# Altium PCB ZYNQ-7000_SOM_Bd.PcbDoc (part 5 of 6) (continued)
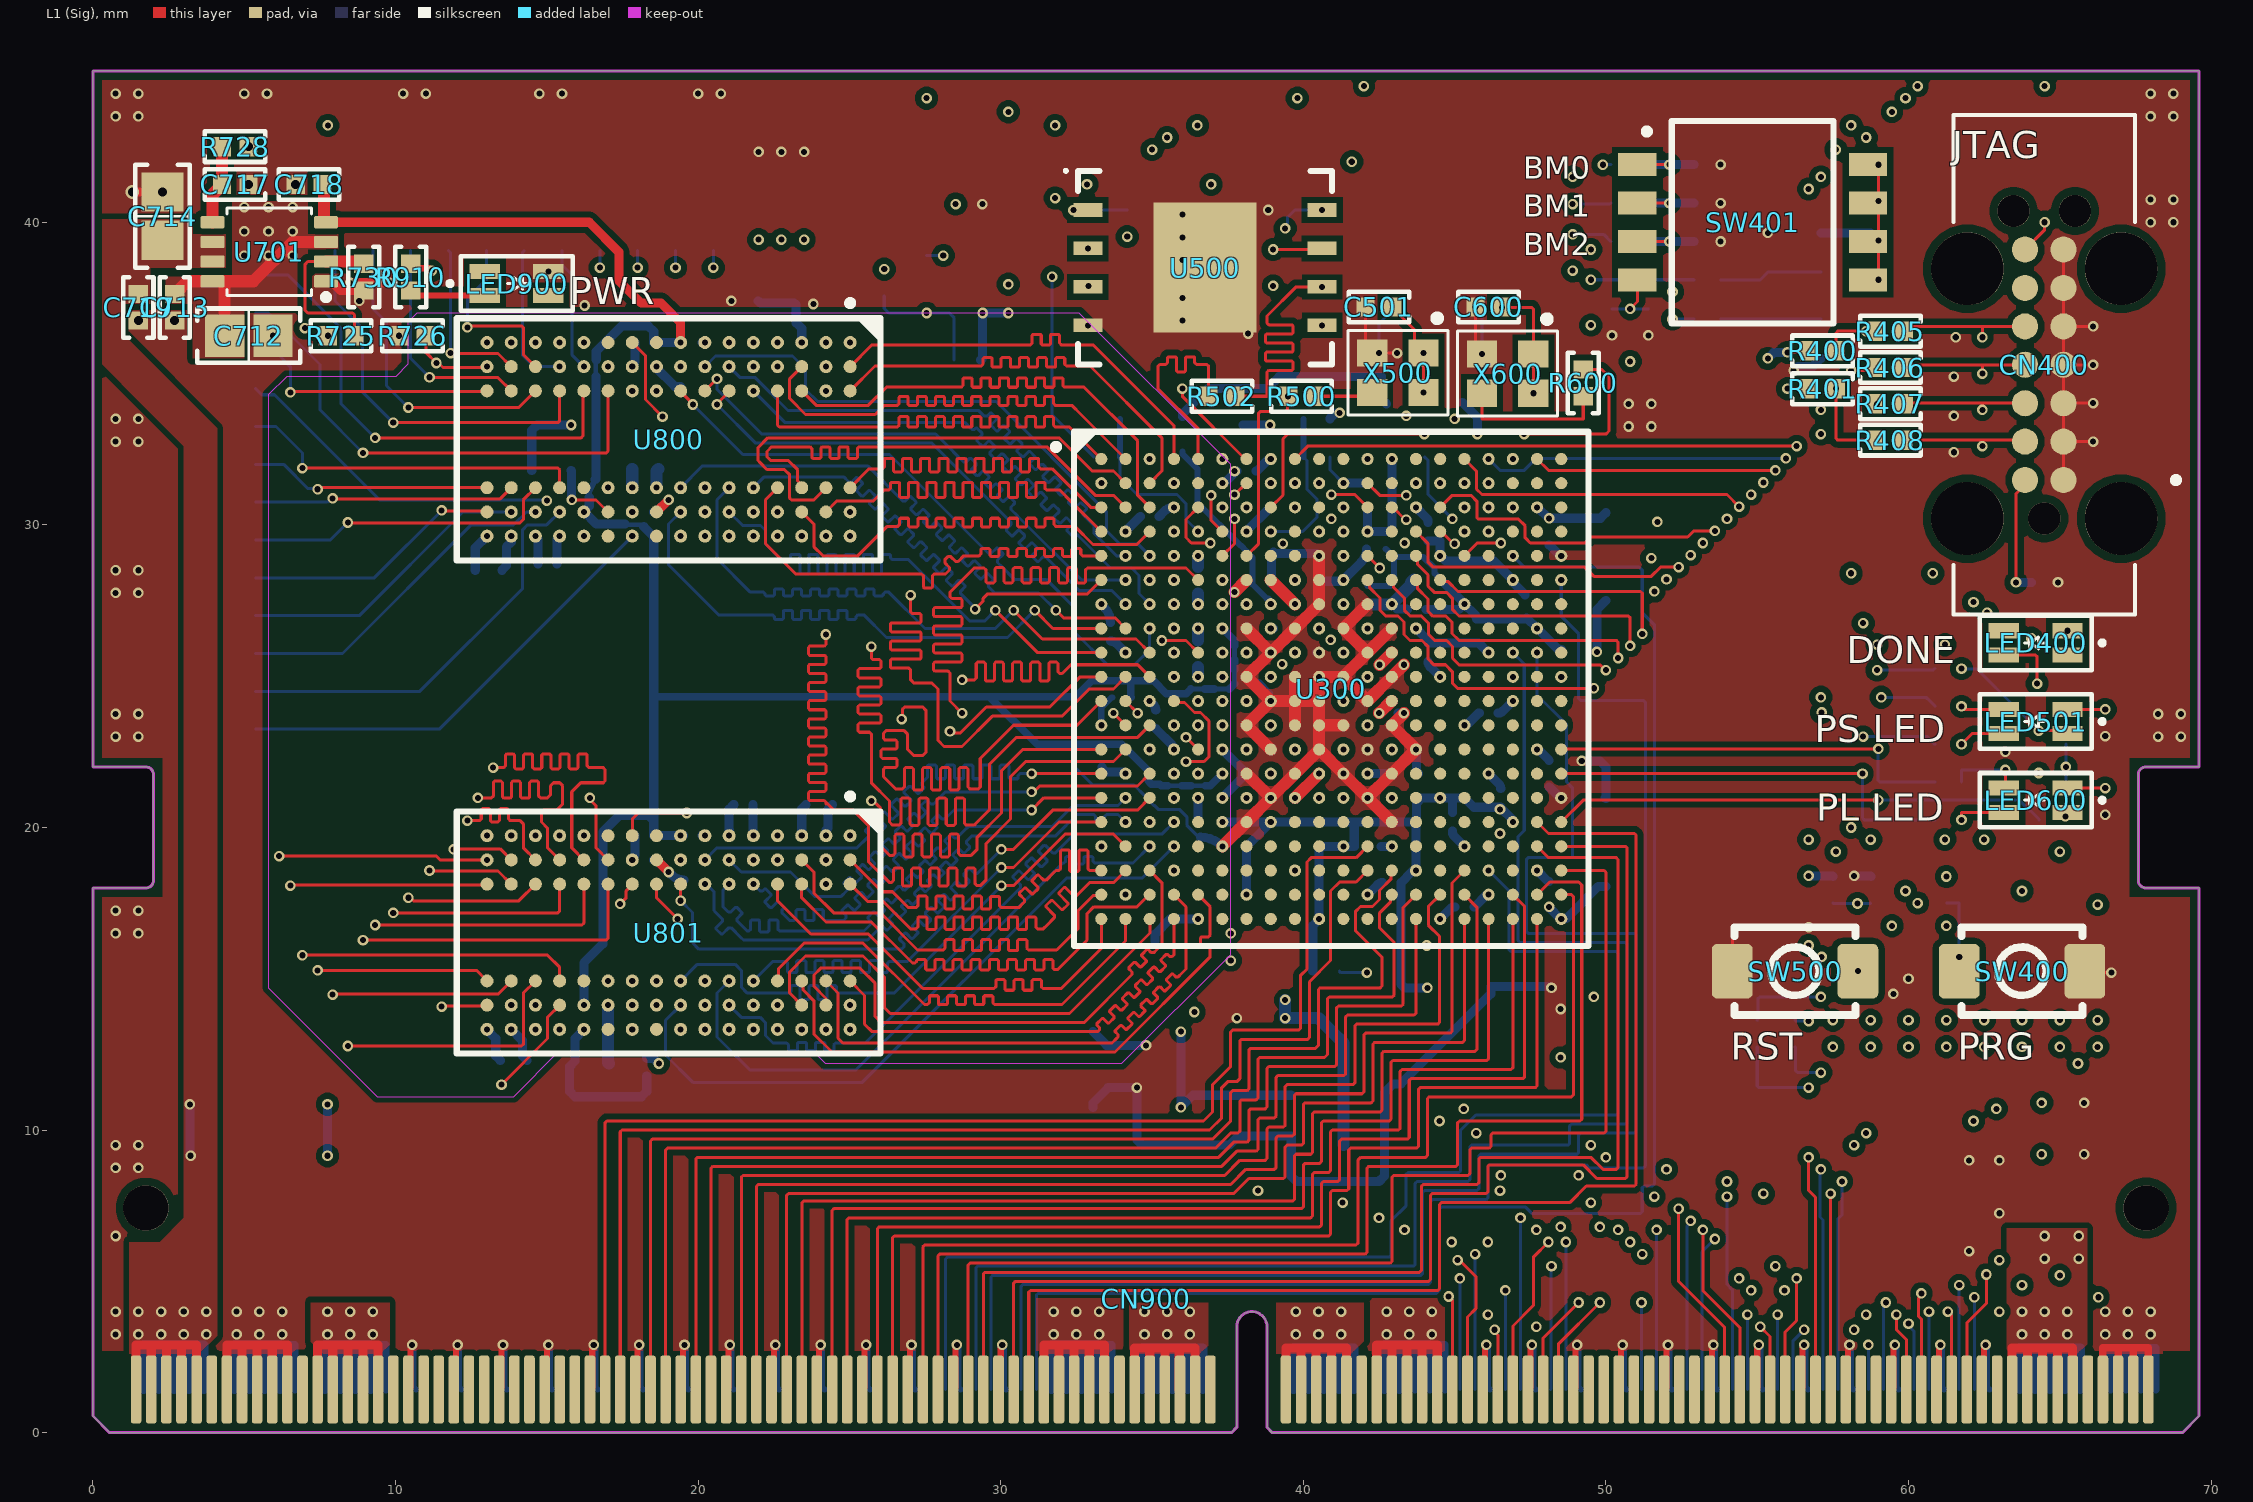
[diagram p0: L1 (Sig) view]
## Nets (pads, with @x,y where several pads share a name; then routed paths per layer and width w, separated by ;. In a path a pad name is that pad's centre, name@x,y a point inside that pad or via, vN(x,y) a via of type N, cw(c..) or ccw(c..) an arc to the next point about the centre after c; other vN are vias at no path point) (continued)
  L8 (Sig) w0.4: v1(36.523,24.977) R729.1@36.523,25.297 ; C309.1@40.523,22.657 v1(40.523,24.977)
  other v1: 0.75,3.25 4.75,3.25 5.5,3.25 6.25,3.25 31.75,3.25 32.5,3.25 33.25,3.25 42.75,3.25 43.5,3.25 44.25,3.25 66.5,3.25 67.25,3.25 68,3.25 0.75,4 4.75,4 5.5,4 6.25,4 31.75,4 32.5,4 33.25,4 42.75,4 43.5,4 44.25,4 66.5,4 67.25,4 68,4 62,6 0.75,6.5 63,7.25 0.75,8.75 1.5,8.75 62,9 63,9 65.8,9.2 0.75,9.5 1.5,9.5 65.8,10.9 14.623,13.327 20.223,13.327 21.023,13.327 37.8,13.7 48.5,14 18.623,14.127 20.223,14.127 21.823,14.127 22.623,14.127 59.5,14.5 60,15 0.75,16.5 1.5,16.5 0.75,17.25 1.5,17.25 34.123,17.777 24.223,18.127 39.723,18.577 21.823,18.927 13.023,19.727 14.623,19.727 16.223,19.727 22.623,19.727 34.923,20.177 66.5,20.42 63.2,22.5 42.123,22.577 0.75,23 1.5,23 66.5,23.02 68.25,23 69,23 0.75,23.75 1.5,23.75 68.25,23.75 69,23.75 0.75,27.75 1.5,27.75 64.94,28.1 0.75,28.5 1.5,28.5 39.323,29.377 16.223,29.627 20.223,29.627 21.023,29.627 24.223,29.627 25.023,29.627 46.123,29.777 20.223,30.427 21.823,30.427 22.623,30.427 39.723,30.577 33.323,31.377 46.923,32.177 61.5,32.4 0.75,32.75 1.5,32.75 50.75,33.25 51.5,33.25 0.75,33.5 1.5,33.5 61.5,33.6 50.75,34 51.5,34 24.223,34.427 61.5,34.9 21.823,35.227 13.023,36.027 14.623,36.027 16.223,36.027 21.823,36.027 22.623,36.027 24.223,36.027 61.56,36.2 5.95,36.25 10.12,36.25 50.2,36.26 51.4,36.26 38.175,36.325 32.88,36.595 36,36.75 16.25,37.25 23.81,37.3 8.8,37.4 21.1,37.4 36,37.5 15.05,38.375 36,38.75 53.79,39.365 36,39.5 55.35,39.65 68,40 68.75,40 36,40.25 38.84,40.405 29.39,40.6 53.79,40.635 68,40.75 68.75,40.75 53.79,41.905 22,42.325 22.75,42.325 23.5,42.325 0.75,43.5 1.5,43.5 68,43.5 68.75,43.5 0.75,44.25 1.5,44.25 5,44.25 5.75,44.25 10.25,44.25 11,44.25 14.75,44.25 15.5,44.25 20,44.25 20.75,44.25 68,44.25 68.75,44.25
  other v2: 1.5,36.75 2.7,36.75 5.14,41.25 6.7,41.25
DONE: CN900.181 Q400.1 R402.1 U300.R11 | length 65.9
  L1 (Sig) w0.1: CN900.181@48.425,1.425 48.425,2.925 v1(49.8,4.3)
  L4 (Sig) w0.1: v1(48.5,6.8) v1(48.5,12.4) ; v1(49.8,4.3) v1(49.8,6.8) ; v1(65.2,22) 65.6,21.6 v1(65.6,12.2)
  L6 (Sig) w0.1: v1(41.323,20.977) 41.738,21.392 65.192,21.392 65.192,21.992 v1(65.2,22) ; v1(48.5,6.8) v1(49.8,6.8) ; v1(48.5,12.4) 57.3,12.4 57.5,12.2 v1(65.6,12.2)
  L8 (Sig) w0.1: R402.1@65.19,21.5 65.2,21.51 v1(65.2,22) Q400.1@65.2,22.75
DP0.675VS: C700.2 C701.2 C702.2 C703.2 C704.2 C705.2 C706.2 C707.2 C708.2 C709.2 C710.2 C711.2 C712.2 C713.2 R701.2 R702.2 R703.2 R704.2 R705.2 R706.2 R707.2 R708.2 R709.2 R710.2 R711.2 R712.2 R713.2 R714.2 R715.2 R716.2 R717.2 R718.2 R719.2 R720.2 R721.2 R722.2 R723.2 R724.2 U701.3 U701.8 | length 7.5
  L1 (Sig) w0.4: C713.2@2.7,37.63 2.75,37.68 2.77,37.68 2.886,37.796 2.886,37.816 3.12,38.05 4.35,38.05 ; C712.2@4.35,36.25 4.35,38.05 ; U701.3@7.7,39.35 6.6,39.35 5.3,38.05 4.35,38.05
  other v1: 5,38.9 5.8,38.9 6.6,38.9 5,39.7 5.8,39.7 6.6,39.7 5,40.5 5.8,40.5 6.6,40.5
DP0.675VS_REF: C715.2 C716.2 C718.2 C800.1 C801.2 C824.1 C825.2 U300.H6 U300.P6 U701.4 U800.H1 U800.M8 U801.H1 U801.M8 | length 77.7
  L1 (Sig) w0.3: C718.2@7.58,41.25 C718.2@7.64,41.19 ; U701.4@7.64,40.05 7.69,40 U701.4@7.7,40 16.4,40 17.382,39.018 17.382,38.068 18.125,37.325 18.775,37.325 19.423,36.677 v1(19.423,36.027)
  L1 (Sig) w0.4: U701.4@7.64,40.05 C718.2@7.64,41.19
  L8 (Sig) w0.15: 16.621,34.907 16.621,35.468 ; 17.581,30.023 17.6,30.004 18.14,30.004 18.201,29.944 ; 35.513,21.375 35.975,21.375 ; 36.275,24.575 36.737,24.575 ; 36.3,21.375 36.762,21.375 ; 37.062,24.575 37.55,24.575 ; 37.725,24.75 37.725,25.212 ; 37.725,25.538 37.725,26
  L8 (Sig) w0.2: 16.4,30.9 16.4,31.1 16.6,31.5
  L8 (Sig) w0.25: 18.533,24.325 29.625,24.325 ; C715.2@34.31,24.3 34.3,24.35 34.3,24.85 ; 35.513,21.375 35.3,21.375 35.25,21.425 34.973,21.425 34.923,21.475 C716.2@34.923,21.5 34.873,21.55 34.873,21.877 34,22.75 31.2,22.75 29.625,24.325 ; 35.975,21.375 36.3,21.375 ; 36.275,24.575 36.125,24.425 35.475,24.425 35.05,24.85 34.3,24.85 ; 36.737,24.575 37.062,24.575 ; 36.762,21.375 36.921,21.375 v1(37.323,21.777) ; v1(37.323,26.577) 37.725,26.175 37.725,26 ; 37.55,24.575 37.725,24.75 ; 37.725,25.212 37.725,25.538 ; 29.625,24.325 32.475,24.325 33,24.85 34.3,24.85
  L8 (Sig) w0.3: v1(16.223,14.127) 16.223,15.523 16.85,16.15 16.85,19.85 17.4,20.4 18.357,20.4 18.533,20.224 ; 16.4,30.9 16.4,30.618 16.223,30.441 v1(16.223,30.427) 16.236,30.427 16.641,30.023 17.581,30.023 ; 16.6,31.5 16.621,31.521 16.621,34.907 ; 16.633,35.456 16.633,35.733 17.467,36.567 18.357,36.567 18.533,36.391 C800.1@18.533,36.027 v1(19.423,36.027) ; 18.201,29.944 18.533,29.612 18.533,24.325 18.533,20.224 ; C825.2@19.513,19.727 v1(19.423,19.727) C824.1@18.533,19.727 18.533,20.224
DP1.0VS: C304.2 C305.2 C306.2 C307.2 C311.2 C312.2 C313.2 C314.2 C315.2 C328.2 C329.2 C330.2 C913.2 C914.2 CN900.133 CN900.134 CN900.135 CN900.136 CN900.137 CN900.138 CN900.139 CN900.140 CN900.141 CN900.142 U300.G7 U300.G11 U300.G13 U300.H10 U300.H12 U300.J7 U300.J13 U300.K12 U300.L7 U300.L13 U300.M12 U300.N7 U300.N13 U300.P8 U300.P12 U300.R7 U300.R13 | length 28.3
  L1 (Sig) w0.3: CN900.133@34.425,1.425 34.425,2.8 34.925,2.8 ; CN900.135@34.925,1.425 34.925,2.8 ; CN900.137@35.425,1.425 35.425,2.8 ; CN900.139@35.925,1.425 35.9,1.425 35.9,2.8 ; CN900.141@36.425,1.425 36.425,2.8 35.9,2.8 ; 34.925,2.8 35.425,2.8 ; 35.425,2.8 35.9,2.8
  L1 (Sig) w0.4: v1(42.503,23.777) 42.513,23.777 42.913,24.177 U300.L13@42.923,24.177 ; v1(42.523,25.377) U300.J13@42.923,25.777
  L8 (Sig) w0.3: CN900.134@34.675,1.425 34.675,2.8 35.175,2.8 ; CN900.136@35.175,1.425 35.175,2.8 ; CN900.138@35.675,1.425 35.675,2.8 ; v1(35.95,13.25) v1(35.95,10.75) 36.35,11.15 C914.2@37.9,11.15 C913.2@39.6,11.15 ; CN900.140@36.175,1.425 36.175,2.8 ; CN900.142@36.675,1.425 36.675,2.8 36.175,2.8 ; v1(42.123,21.777) C312.2@42.923,21.777 ; 43.089,27.225 43.415,27.225 C328.2@43.44,27.2 ; 35.175,2.8 35.675,2.8 ; 35.675,2.8 36.175,2.8
  L8 (Sig) w0.4: C306.2@42.123,27.357 42.133,27.368 42.913,27.368 v1(42.923,27.377) 43.56,28.014 43.56,28.1 C329.2@43.66,28.2
  other v1: 34.75,3.25 35.5,3.25 36.25,3.25 34.75,4 35.5,4 36.25,4 36.4,13.9 37.6,15.6 37.6,16.5 38.123,20.977 42.923,20.977 38.923,21.777 38.123,22.577 42.923,22.577 42.123,23.377 38.123,24.177 42.123,24.977 38.123,25.777 40.523,26.577 42.123,26.577 38.123,27.377 41.323,27.377
DP1.8VS: C302.2 C303.2 C308.2 C309.2 C310.2 C316.2 C317.2 C318.2 C905.2 C910.2 CN900.145 CN900.146 CN900.147 CN900.148 CN900.149 CN900.150 CN900.151 CN900.152 CN900.153 CN900.154 FB300.2 U300.F8 U300.F11 U300.G9 U300.H8 U300.J9 U300.J11 U300.K8 U300.L11 U300.M8 U300.N9 U300.N11 U300.P10 U300.R9 | length 42.4
  L1 (Sig) w0.3: CN900.145@39.425,1.425 39.425,2.8 39.925,2.8 ; CN900.147@39.925,1.425 39.925,2.8 ; CN900.149@40.425,1.425 40.425,2.8 ; CN900.151@40.925,1.425 40.925,2.8 ; CN900.153@41.425,1.425 41.425,2.8 40.925,2.8 ; 39.925,2.8 40.425,2.8 ; 40.425,2.8 40.925,2.8
  L1 (Sig) w0.4: U300.F8@38.923,28.177 v1(39.723,27.377) ; v1(39.723,20.977) v1(40.523,21.777)
  L3 (PWR) w0.4: v1(40.523,21.777) v1(41.323,22.577)
  L4 (Sig) w0.2: v1(43.35,29.4) 42.9,29.85 42.9,31.5 43.5,32.1 43.5,32.78 43.4,32.88 v1(43.4,33.6)
  L8 (Sig) w0.3: FB300.2@36,33.575 36,33.65 36.85,34.5 38.8,34.5 39.2,34.9 42.574,34.9 42.574,34.176 C318.2@42.75,34 ; v1(38.923,26.577) C316.2@39.013,26.577 ; CN900.146@39.675,1.425 39.675,2.8 40.175,2.8 ; CN900.148@40.175,1.425 40.175,2.8 ; C317.2@40.523,28.137 41.226,28.137 ccw(c41.226,28.274) v1(41.323,28.177) 41.909,28.764 ccw(c41.473,29.2) C302.2@42.09,29.2 ; CN900.150@40.675,1.425 40.675,2.8 ; CN900.152@41.175,1.425 41.175,2.8 ; CN900.154@41.675,1.425 41.675,2.8 41.175,2.8 ; 40.175,2.8 40.675,2.8 ; 40.675,2.8 41.175,2.8
  L8 (Sig) w0.4: v1(39.4,14.3) v1(39.4,13.7) 40.5,13.7 C310.2@40.95,13.25 41.325,12.875 C905.2@41.325,11.175 C910.2@41.325,9.5
  other v1: 39.75,3.25 40.5,3.25 41.25,3.25 39.75,4 40.5,4 41.25,4 39.723,22.577 38.923,23.377 41.323,24.177 38.923,24.977 39.723,25.777 41.323,25.777
DP1.8VS_PLL: C300.2 C301.2 FB300.1 U300.G8 | length 6.3
  L8 (Sig) w0.2: FB300.1@36,32.425 36,32.35 36.5,31.85 36.5,30.74 37.92,29.32 37.935,29.32 38.135,29.12 C301.2@38.135,29.1 38.323,28.912 38.323,28.029 38.785,27.567 38.848,27.567 38.923,27.492 C300.2@38.923,27.467 v1(38.923,27.377)
DP1.35VS: C319.2 C320.2 C321.2 C322.2 C323.2 C324.2 C800.2 C802.2 C803.2 C804.2 C805.2 C806.2 C807.2 C808.2 C809.2 C810.2 C811.2 C812.2 C813.2 C814.2 C815.2 C816.2 C817.2 C818.2 C819.2 C820.2 C821.2 C822.2 C823.2 C824.2 C826.2 C827.2 C828.2 C829.2 C830.2 C831.2 C832.2 C833.2 C834.2 C835.2 C836.2 C837.2 C838.2 C839.2 C840.2 C841.2 C842.2 C843.2 C844.2 C845.2 C846.2 C847.2 C907.2 C911.2 CN900.25 CN900.26 CN900.27 CN900.28 CN900.29 CN900.30 CN900.31 CN900.32 CN900.33 CN900.34 R727.2 R728.1 U300.A3 U300.D2 U300.E5 U300.G1 U300.H4 U300.L3 U300.P2 U300.R5 U300.U1 U300.V4 U800.A1 U800.A8 U800.B2 U800.C1 U800.C9 U800.D2 U800.D9 U800.E9 U800.F1 U800.G7 U800.H2 U800.H9 U800.K2 U800.K8 U800.N1 U800.N9 U800.R1 U800.R9 U801.A1 U801.A8 U801.B2 U801.C1 U801.C9 U801.D2 U801.D9 U801.E9 U801.F1 U801.G7 U801.H2 U801.H9 U801.K2 U801.K8 U801.N1 U801.N9 U801.R1 U801.R9 | length 206.6
  L1 (Sig) w0.3: CN900.25@7.425,1.425 7.425,2.9 7.925,2.9 ; CN900.27@7.925,1.425 7.925,2.9 ; CN900.29@8.425,1.425 8.425,2.9 ; CN900.31@8.925,1.425 8.925,2.9 ; CN900.33@9.425,1.425 9.425,2.9 8.925,2.9 ; 7.925,2.9 8.425,2.9 ; 8.425,2.9 8.925,2.9
  L3 (PWR) w0.15: 33.323,27 33.348,26.975 35.163,26.975 ; v1(34.923,24.177) 35.553,24.177 36.127,24.752 36.127,25.214 ; 35.489,25.378 36.127,25.378 ; v1(35.723,26.577) 36.125,26.869 36.125,27.61
  L3 (PWR) w0.25: 35.163,26.975 35.488,26.975 v1(35.723,26.577) ; 35.164,25.378 35.489,25.378 ; 36.125,27.61 36.125,27.8 36.525,28.2 36.525,28.975 v1(36.523,28.977) ; 36.127,25.214 36.127,25.539
  L3 (PWR) w0.3: v1(7,36.5) 7.3,36.5 7.6,36.8 ; v1(9.25,4) 9.25,12.65 13.823,12.65 ; v1(13.823,13.327) 13.823,12.65 ; v1(13.823,19.727) 13.823,18.927 15.425,18.927 ; v1(13.823,29.627) 13.823,28.975 15.425,28.975 ; v1(13.823,36.027) 13.823,36.575 15.423,36.575 ; v1(15.423,13.327) 15.423,12.65 ; v1(15.423,19.727) 15.425,19.727 15.425,18.927 ; v1(15.423,29.627) 15.425,29.627 15.425,28.975 ; v1(15.423,36.027) 15.423,36.575 ; v1(17.823,14.127) 18.623,13.327 18.623,12.65 ; v1(17.823,30.427) 18.625,29.625 19.421,29.625 v1(19.423,29.627) 19.423,28.975 ; v1(17.823,35.227) 17.823,36.575 ; v1(19.423,13.327) 19.423,12.65 ; v1(19.423,18.927) 19.409,18.927 19.186,19.15 18.75,19.15 18.527,18.927 18.175,18.927 ; v1(19.423,35.227) 18.075,36.575 ; v1(20.223,31.227) 20.223,31.775 23.423,31.775 23.423,30.427 ; v1(21.023,19.727) 21,19.727 21,20.525 23.423,20.525 ; v1(21.023,36.027) 21.023,36.575 ; v1(22.623,18.927) 23.423,18.927 ; v1(22.623,35.227) 23.423,35.227 ; v1(24.223,35.227) 23.423,35.227 ; v1(25.023,14.127) 24.223,14.127 v1(23.423,13.327) ; v1(34.123,21.777) 33.323,21.777 ; v1(34.923,24.177) 34.923,24.9 33.323,24.9 ; v1(36.523,20.977) 36.523,18.577 v1(35.723,18.577) 33.323,18.577 v1(33.323,19.377) 33.323,19.727 ; v1(38.9,33.3) 36.046,33.3 v1(34.923,32.177) 34.123,32.177 v1(34.123,29.777) 33.323,29.777 v1(33.323,27.377) 33.323,27 33.323,24.9 ; 13.823,12.65 15.423,12.65 ; 15.423,12.65 18.623,12.65 ; 15.423,36.575 17.823,36.575 ; 15.425,18.927 v1(17.823,18.927) 18.175,18.927 ; 15.425,28.975 19.423,28.975 ; 17.823,36.575 18.075,36.575 ; 18.075,36.575 21.023,36.575 ; 18.175,18.927 18.175,16.075 23.423,16.075 ; 18.623,12.65 19.423,12.65 ; 19.423,12.65 21.823,12.65 v1(21.823,13.327) v1(22.623,13.327) v1(23.423,13.327) ; 19.423,28.975 21.823,28.975 v1(21.823,29.627) v1(22.623,29.627) v1(23.423,29.627) ; 21.023,36.575 23.423,36.575 ; v1(23.423,13.327) 23.423,16.075 ; 23.423,16.075 23.423,18.927 ; 23.423,18.927 v1(24.223,18.927) 25.023,18.927 v1(25.023,19.727) 29.834,19.727 29.836,19.729 30.21,19.729 30.212,19.727 33.323,19.727 ; 23.423,18.927 v1(23.423,19.727) 23.423,20.525 ; 23.423,20.525 v1(23.423,29.627) ; v1(23.423,29.627) 23.423,30.427 ; 23.423,30.427 v1(25.023,30.427) v1(25.023,36.027) 25.023,36.575 23.423,36.575 ; 23.423,35.227 v1(23.423,36.027) 23.423,36.575 ; 33.323,19.727 33.323,21.777 ; 33.323,21.777 32.55,21.777 32.55,24.9 33.323,24.9
  L4 (Sig) w0.3: v2(5.14,42.5) 4.076,42.5 3.9,42.324 3.9,38.176 4.076,38 5.5,38 v1(7,36.5)
  L8 (Sig) w0.25: 9.175,2.9 9.675,2.9 CN900.34@9.675,1.425
  L8 (Sig) w0.3: CN900.26@7.675,1.425 7.675,2.9 8.175,2.9 ; v1(7.75,9.15) v1(7.75,10.85) ; CN900.28@8.175,1.425 8.175,2.9 ; CN900.30@8.675,1.425 8.675,2.9 ; CN900.32@9.175,1.425 9.175,2.9 8.675,2.9 ; C802.2@13.513,28.5 13.663,28.65 13.663,29.27 13.823,29.43 v1(13.823,29.627) ; v1(13.823,13.327) 14.19,12.96 14.19,12.45 C826.2@14.34,12.3 ; C803.2@15.333,28.7 15.333,29.537 v1(15.423,29.627) ; v1(17.823,18.927) ccw(c17.606,19.144) 17.913,19.144 C824.2@17.913,19.727 ; v1(17.823,35.227) ccw(c17.606,35.444) 17.913,35.444 C800.2@17.913,36.027 ; C827.2@18.3,12.41 18.3,12.385 18.325,12.36 18.526,12.36 18.686,12.2 v1(18.7,12.2) ; C845.2@21.038,19.727 21.038,19.913 21.023,19.928 21.023,20.608 21.165,20.75 C838.2@21.19,20.75 ; C813.2@21.98,37.4 22.055,37.325 23.165,37.325 C814.2@23.19,37.3 23.215,37.3 23.24,37.275 23.24,36.675 23.423,36.492 v1(23.423,36.027) ; v1(23.423,19.727) 23.423,20.613 C837.2@23.56,20.75 ; v1(33.323,27.377) 33.411,27.289 cw(c32.899,26.777) C319.2@33.623,26.777 ; C323.2@33.34,22 33.34,21.98 33.49,21.83 34.056,21.83 34.109,21.777 v1(34.123,21.777) ; v1(34.123,29.777) 34.123,29.787 C321.2@34.613,30.277 ; v1(34.923,24.177) 35.059,24.041 cw(c34.906,23.887) C320.2@35.123,23.887 ; C322.2@36.523,20.297 v1(36.523,20.977) ; C324.2@38,33.3 v1(38.9,33.3) ; 8.175,2.9 8.675,2.9
  L8 (Sig) w0.4: R727.2@36.523,28.617 v1(36.523,28.977)
  other v1: 7.75,3.25 8.5,3.25 9.25,3.25 7.75,4 8.5,4 20.223,14.927
DP3.3VS: C325.2 C326.2 C327.2 C331.2 C332.2 C333.2 C334.2 C335.2 C336.2 C337.2 C338.2 C339.2 C340.2 C341.2 C342.2 C343.2 C344.2 C345.2 C346.2 C347.2 C348.2 C400.2 C500.1 C501.1 C502.1 C505.2 C600.1 C601.2 C903.2 C909.2 CN400.2 CN900.241 CN900.242 CN900.243 CN900.244 CN900.245 CN900.246 CN900.247 CN900.248 CN900.249 CN900.250 LED501.4 LED600.4 R400.2 R401.2 R402.2 R403.2 R404.2 R409.2 R410.2 R411.2 R501.2 R504.2 R505.2 R511.2 R514.2 R604.2 R910.2 SW401.5 SW401.6 SW401.7 SW401.8 U300.A13 U300.B6 U300.B16 U300.C19 U300.D7 U300.D12 U300.E15 U300.F18 U300.H14 U300.J17 U300.K6 U300.K20 U300.M6 U300.M16 U300.N6 U300.N19 U300.R6 U300.R15 U300.T6 U300.T8 U300.T18 U300.U11 U300.V14 U300.W7 U300.W17 U300.Y10 U300.Y20 U500.8 U502.5 X500.1 X500.4 X600.1 X600.4 | length 119.4
  L1 (Sig) w0.1: C501.1@42.938,37.2 42.938,37.18 43.673,36.445 43.673,35.927 43.923,35.677 v1(43.973,35.677) v1(43.973,34.377) ; C600.1@46.565,37.18 v1(46.565,37.19) 47.541,37.19 47.6,37.131 X600.1@47.6,35.65 v1(47.6,34.35) ; v1(56,34.5) R401.2@56.72,34.5 ; v1(56,35.7) 56.01,35.71 56.68,35.71 R400.2@56.72,35.75 ; v1(59,38.1) v1(59,39.4) v1(59,40.7) v1(59,41.9) ; v1(63.55,28.1) 63.55,31.028 63.85,31.328 CN400.2@63.85,31.48 ; LED600.4@65.25,21.3 v1(66.5,21.3) ; LED501.4@65.25,23.9 v1(66.5,23.9)
  L1 (Sig) w0.2: R910.2@10.5,38.63 10.65,38.48 11.106,38.48 11.186,38.4 v1(11.2,38.4)
  L1 (Sig) w0.3: CN900.241@63.425,1.425 63.425,2.8 63.925,2.8 ; CN900.243@63.925,1.425 63.925,2.8 ; CN900.245@64.425,1.425 64.425,2.8 ; CN900.247@64.925,1.425 64.925,2.8 ; CN900.249@65.425,1.425 65.425,2.8 64.925,2.8 ; 63.925,2.8 64.425,2.8 ; 64.425,2.8 64.925,2.8
  L3 (PWR) w0.15: 36.925,23.938 36.925,24.4
  L3 (PWR) w0.25: 36.925,23.938 36.925,23.613 37.06,23.613 37.296,23.377 v1(37.323,23.377)
  L3 (PWR) w0.3: v1(11.2,38.4) 11.9,39.1 21.6,39.1 ; 36.925,24.4 36.925,24.566 37.323,24.964 v1(37.323,24.977) ; v1(37.323,20.177) v1(37.323,20.977) ; v1(37.323,22.577) v1(37.323,23.377) ; v1(42.923,32.177) 44.523,32.177 v1(45.323,31.377) ; v1(45.323,23.377) 46.923,23.377 v1(47.723,22.577)
  L8 (Sig) w0.1: U502.5@27.55,38.9 v1(28.1,38.9) ; v1(31.7,38.2) 31.7,33.63 33.06,32.27 R514.2@33.06,32.25 ; v1(39.4,39.8) 39.4,39.868 39.47,39.938 39.47,40.155 C500.1@39.72,40.405 v1(40.62,40.405)
  L8 (Sig) w0.3: v1(37.323,20.177) v1(38.923,20.177) ; v1(37.323,20.977) 37.999,21.653 37.999,21.901 v1(37.323,22.577) ; v1(37.323,31.377) 37.332,31.387 37.397,31.387 37.788,31.777 C327.2@37.813,31.777 ; v1(38.123,17.777) 38.123,19.377 v1(38.923,20.177) ; v1(38.123,29.777) 38.132,29.787 38.132,29.807 38.883,30.557 C326.2@38.883,30.577 ; R403.2@40.31,15.25 40.31,16.751 40.523,16.964 v1(40.523,16.977) 40.523,19.377 v1(41.323,19.377) R604.2@41.683,19.377 41.683,20.16 41.7,20.177 ; R511.2@40.88,33.5 40.88,33.52 41.03,33.67 41.05,33.67 41.07,33.69 41.19,33.69 v1(41.2,33.7) ; C332.2@42.123,30.497 v1(42.123,29.777) 42.923,29.777 v1(42.923,32.177) ; v1(43.723,26.577) C342.2@44.066,26.234 ; 43.822,20.889 43.734,20.801 43.734,20.2 43.723,20.2 43.723,20.188 ; 43.91,20.977 v1(44.523,20.977) 44.923,20.977 ; C342.2@44.066,26.234 cw(c43.93,26.097) C342.2@44.123,26.097 45.789,26.097 46.109,25.777 v1(46.123,25.777) ; v1(44.1,14.7) 43.35,14.7 C334.2@43.3,14.75 43.233,14.817 C339.2@43.233,18.177 43.569,18.514 cw(c43.723,18.36) v1(43.723,18.577) 43.723,20.188 ; C333.2@44.123,29.467 44.523,29.467 v1(44.523,28.977) 44.536,28.977 44.714,28.8 46.3,28.8 v1(46.923,28.177) 46.932,28.168 46.932,28.093 47.323,27.702 C345.2@47.323,27.677 ; C341.2@44.923,20.497 44.923,20.977 ; C331.2@45.25,34.05 45.75,33.55 v1(45.75,33) ; v1(45.323,23.377) 45.332,23.387 45.397,23.387 45.788,23.777 C343.2@45.813,23.777 ; C338.2@45.633,17.377 45.658,17.377 46.048,17.768 46.113,17.768 v1(46.123,17.777) ; v1(46.923,20.177) 46.913,20.187 46.913,20.252 46.523,20.642 C340.2@46.523,20.667 45.633,20.667 45.323,20.977 44.923,20.977 ; v1(47.723,22.577) cw(c47.723,22.481) 47.791,22.549 C336.2@48.123,22.217 ; v1(47.723,30.577) 47.732,30.568 47.752,30.568 48.103,30.217 v1(48.123,30.217) 49.817,30.217 C348.2@50,30.4 ; v1(48.125,17.375) 48.125,17.355 48.493,16.987 48.513,16.987 v1(48.523,16.977) 48.532,16.987 48.687,16.987 49.75,18.05 C325.2@50,18.05 ; v1(55.35,35.5) 55.54,35.69 55.99,35.69 v1(56,35.7) ; v1(56.7,18.4) 56.71,18.39 57.49,18.39 R504.2@57.5,18.38 ; R410.2@57.1,39.65 58.736,39.65 58.986,39.4 v1(59,39.4) ; v1(63.55,28.1) C400.2@64.06,28.1 ; CN900.242@63.675,1.425 63.675,2.8 64.175,2.8 ; CN900.244@64.175,1.425 64.175,2.8 ; CN900.246@64.675,1.425 64.675,2.8 ; CN900.248@65.175,1.425 65.175,2.8 ; CN900.250@65.675,1.425 65.675,2.8 65.175,2.8 ; v1(38.923,20.177) 41.7,20.177 ; 41.7,20.177 43.712,20.177 43.723,20.188 ; 64.175,2.8 64.675,2.8 ; 64.675,2.8 65.175,2.8
  other v1: 63.75,3.25 64.5,3.25 65.25,3.25 63.75,4 64.5,4 65.25,4 64.5,5.75 65.625,5.75 64.5,6.5 65.625,6.5 64.4,9.2 64.4,10.9 61.25,18.38 46.5,19.8 46.5,20.6 64.3,21.8 48.523,24.977 64.06,26.25 37.725,31.775 45,33.5 26.15,38.45 22,39.425 22.75,39.425 23.5,39.425 34.18,39.525 28.51,40.6
DP5VS: C714.2 C719.1 C901.2 C908.2 CN900.1 CN900.2 CN900.3 CN900.4 CN900.5 CN900.6 CN900.7 CN900.8 CN900.9 CN900.10 U701.6 U701.7 | length 20.5
  L1 (Sig) w0.3: CN900.1@1.425,1.425 1.425,2.9 1.925,2.9 ; CN900.3@1.925,1.425 1.925,2.9 ; CN900.5@2.425,1.425 2.425,2.9 ; CN900.7@2.925,1.425 2.925,2.9 ; CN900.9@3.425,1.425 3.425,2.9 2.925,2.9 ; 1.925,2.9 2.425,2.9 ; 2.425,2.9 2.925,2.9
  L8 (Sig) w0.3: CN900.2@1.675,1.425 1.675,2.9 2.175,2.9 ; CN900.4@2.175,1.425 2.175,2.9 ; CN900.6@2.675,1.425 2.675,2.9 ; CN900.8@3.175,1.425 3.175,2.9 ; v1(3.2,10.85) 3.2,9.175 v1(3.225,9.15) ; CN900.10@3.675,1.425 3.675,2.9 3.175,2.9 ; 2.175,2.9 2.675,2.9 ; 2.675,2.9 3.175,2.9
  other v1: 1.5,3.25 2.25,3.25 3,3.25 3.75,3.25 1.5,4 2.25,4 3,4 3.75,4
EXT_PG_1.35V: CN900.228 R909.2 | length 11.9
  L4 (Sig) w0.1: v1(58.75,12.75) 60,11.5 v1(60,3.6)
  L8 (Sig) w0.1: v1(60,3.6) 60,3.532 60.175,3.357 CN900.228@60.175,1.425
EXT_PG_3.3V: CN900.230 R900.2 | length 11.6
  L4 (Sig) w0.1: v1(60.675,4) 61.25,4.575 v1(61.25,12.75)
  L8 (Sig) w0.1: CN900.230@60.675,1.425 v1@60.675,4.005
EXT_PS_NPOR: CN900.234 R905.2 | length 13.4
  L4 (Sig) w0.1: v1(63.75,4.875) v1(63.75,12.75)
  L6 (Sig) w0.1: v1(61.675,4.875) v1(63.75,4.875)
  L8 (Sig) w0.1: CN900.234@61.675,1.425 v1(61.675,4.875)
EXT_PS_NRST: CN900.236 R906.2 | length 15.4
  L4 (Sig) w0.1: v1(66.25,12.75) 66.263,12.737 66.263,4.488 v1(66.275,4.475)
  L6 (Sig) w0.1: v1(62.175,4.475) v1(66.275,4.475)
  L8 (Sig) w0.1: CN900.236@62.175,1.425 v1(62.175,4.475)
EXT_PS_UART0_RX: CN900.224 R908.2 | length 13.5
  L4 (Sig) w0.1: v1(57.1,11.9) 57.9,11.9 59.248,10.552 v1(59.248,4.3)
  L8 (Sig) w0.1: R908.2@56.25,12.75 56.27,12.73 56.27,11.959 56.329,11.9 v1(57.1,11.9) ; CN900.224@59.175,1.425 59.175,4.175 59.248,4.248 v1(59.248,4.3)
EXT_PS_UART0_TX: CN900.222 R907.2 | length 14.8
  L4 (Sig) w0.1: v1(56.7,11.4) 57.9,11.4 58.952,10.348 58.952,7.102 58.896,7.046 58.896,4.102 58.952,4.046 58.952,3.652 58.675,3.375 v1(58.675,2.9)
  L8 (Sig) w0.1: R907.2@55,12.75 55,11.459 55.059,11.4 v1(56.7,11.4) ; CN900.222@58.675,1.425 v1(58.675,2.9)
EXT_TCK: CN900.233 R903.2 | length 13.3
  L1 (Sig) w0.1: v1(61.3,4) 61.425,3.875 CN900.233@61.425,1.425
  L4 (Sig) w0.1: v1(62.5,12.75) 62.5,6.2 v1(63,5.7) v1(63,4)
  L6 (Sig) w0.1: v1(61.3,4) v1(63,4)
EXT_TDI: CN900.227 R901.2 | length 12.3
  L1 (Sig) w0.1: v1(59.6,3.9) 59.6,3.4 59.925,3.075 CN900.227@59.925,1.425
  L4 (Sig) w0.1: v1(57.5,12.75) 59.6,10.65 v1(59.6,3.9)
EXT_TDO: CN900.229 R902.2 | length 11.6
  L1 (Sig) w0.1: CN900.229@60.425,1.425 60.425,3.752 60.323,3.854 60.323,4.43 60.425,4.532 v1(60.425,4.6)
  L4 (Sig) w0.1: v1(60,12.75) 60.425,12.325 v1(60.425,4.6)
EXT_TMS: CN900.235 R904.2 | length 14.1
  L1 (Sig) w0.1: CN900.235@61.925,1.425 61.925,3.625 62.573,4.273 v1(62.573,5.227)
  L4 (Sig) w0.1: v1(65,5.2) v1(65,12.75)
  L6 (Sig) w0.1: v1(62.573,5.227) 64.973,5.227 v1(65,5.2)
FLASH_CLK_BM4: R414.1 R502.2 U500.6 | length 24.3
  L1 (Sig) w0.1: R502.2@37.75,34.25 38.8,34.25 38.8,34.7 38.8,35.05 38.859,35.109 39.626,35.109 39.656,35.139 39.656,35.379 39.626,35.409 38.78,35.409 38.75,35.439 38.75,35.679 38.78,35.709 39.626,35.709 39.656,35.739 39.656,35.979 39.626,36.009 38.78,36.009 38.75,36.039 38.75,36.279 38.78,36.309 39.626,36.309 39.656,36.339 39.656,36.579 39.626,36.609 38.859,36.609 38.8,36.667 38.8,36.8 38.8,36.9 39.765,37.865 v1(40.62,37.865)
  L4 (Sig) w0.1: v1(52.2,36.8) v1(52.2,37.7)
  L6 (Sig) w0.1: v1(40.62,37.865) 40.639,37.865 40.804,37.7 v1(52.2,37.7)
  L8 (Sig) w0.1: v1(52.2,36.8) R414.1@52.91,36.8
JTAG_TCK: CN400.6 ESD402.2 R407.2 | length 4.2
  L1 (Sig) w0.1: R407.2@59.84,34 59.86,34.02 62.44,34.02 ; v1(62.44,33.8) 62.44,34 62.44,34.02 ; CN400.6@63.85,34.02 62.44,34.02
JTAG_TDI: CN400.10 ESD400.2 R405.2 | length 4.5
  L1 (Sig) w0.1: R405.2@59.84,36.4 59.84,36.56 62.44,36.56 ; v1(62.44,36.2) 62.44,36.56 ; CN400.10@63.85,36.56 62.44,36.56
JTAG_TDO: CN400.8 ESD401.2 R406.2 | length 4.3
  L1 (Sig) w0.1: R406.2@59.84,35.2 59.93,35.29 62.44,35.29 ; v1(62.44,35) 62.44,35.29 ; CN400.8@63.85,35.29 62.44,35.29
JTAG_TMS: CN400.4 ESD403.2 R408.2 | length 4.2
  L1 (Sig) w0.1: R408.2@59.84,32.8 63.8,32.8 CN400.4@63.85,32.75 ; v1(62.44,32.6) v1@62.44,32.75
LED_DONE_A: LED400.4 R409.1 | length 0.4
  L8 (Sig) w0.1: R409.1@64.94,26.25 65.19,26.5 v1(65.25,26.5)
LED_DONE_K: LED400.2 Q400.3 | length 2
  L1 (Sig) w0.1: LED400.2@63.15,25.7 64.191,25.7 64.25,25.641 v1(64.25,24.75)
NetLED501_1: LED501.1 R512.1 | length 4.4
  L1 (Sig) w0.1: v1(64.3,23.2) 65.15,23.2 LED501.1@65.25,23.1
  L8 (Sig) w0.1: v1(61.75,25.25) 61.75,25.23 62.27,25.23 63.5,24 v1(64.3,23.2)
NetLED501_2: LED501.2 R510.1 | length 1.5
  L1 (Sig) w0.1: v1(61.75,22.75) 62.1,23.1 LED501.2@63.15,23.1
NetLED501_3: LED501.3 R508.1 | length 1.5
  L1 (Sig) w0.1: v1(61.75,24) 61.75,23.9 LED501.3@63.15,23.9
NetLED600_1: LED600.1 R603.1
  other v1: 65.185,20.364
NetLED600_2: LED600.2 R602.1 | length 1.7
  L1 (Sig) w0.1: v1(61.75,20.25) 61.75,20.5 LED600.2@63.15,20.5